# KiCad board SuS.kicad_pcb (continued)
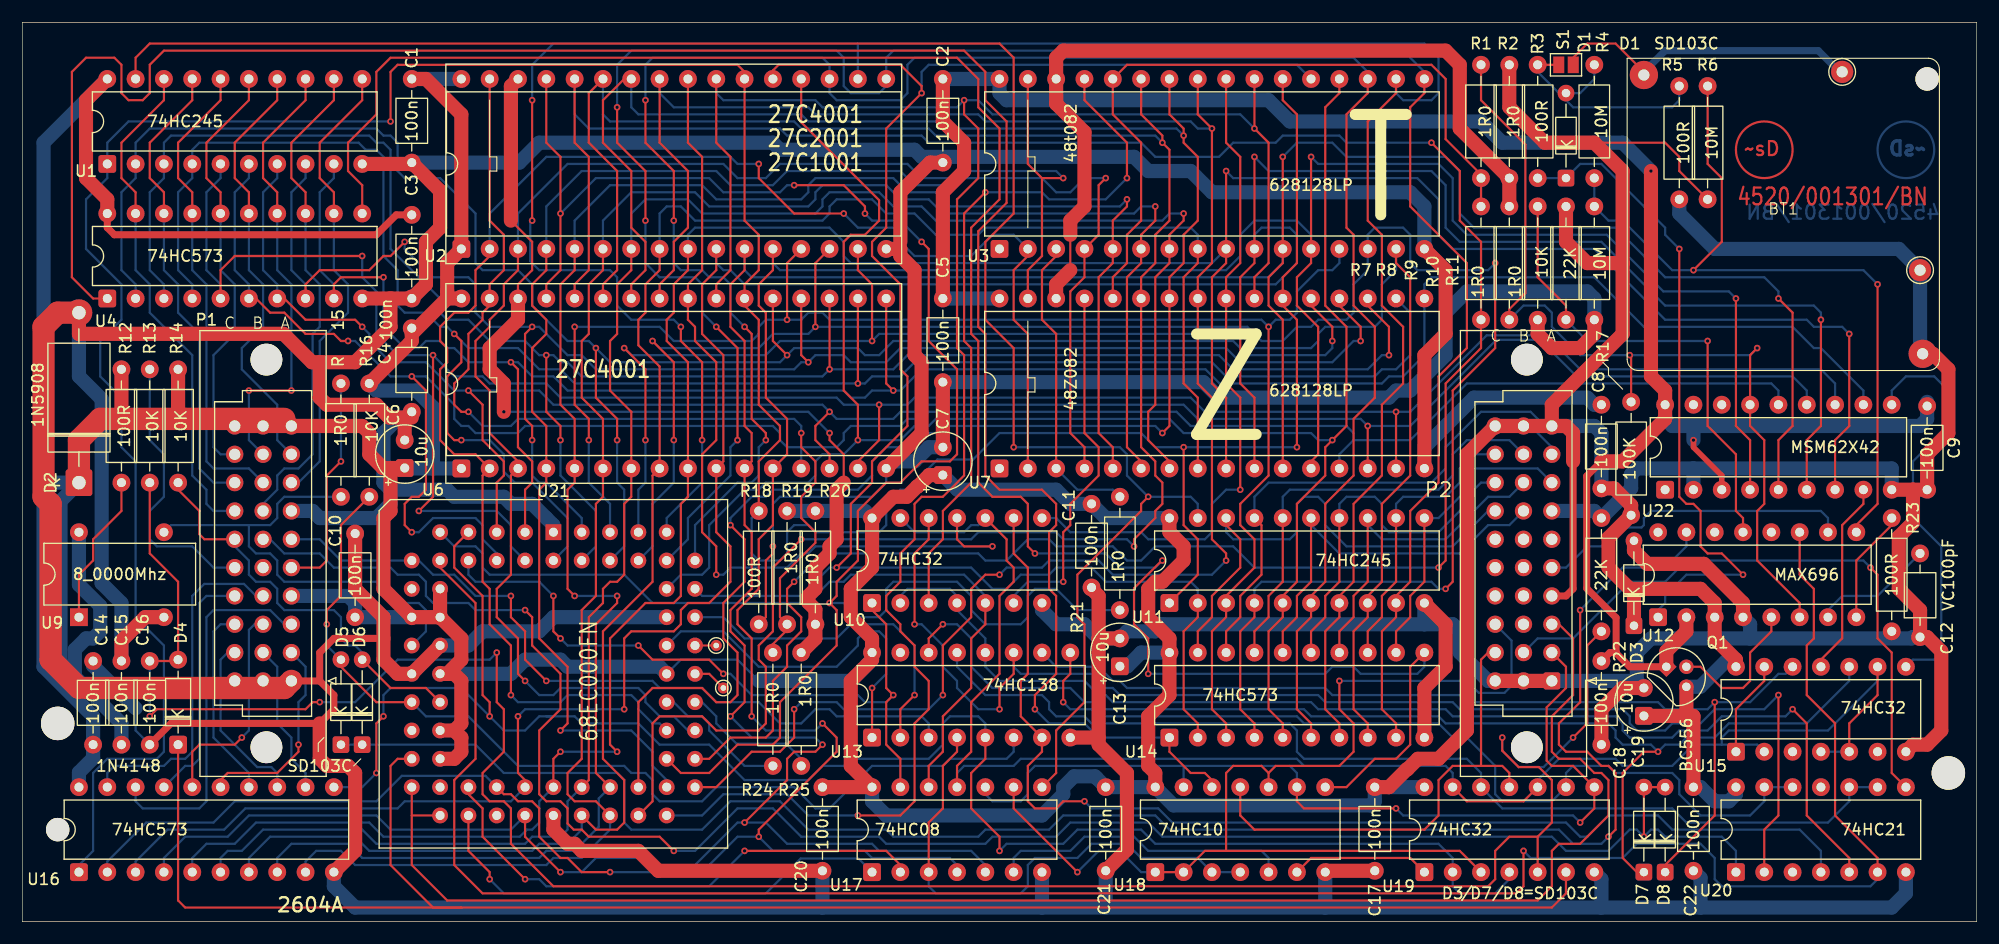
[diagram p0: board, top side]
## Routing (per net, layer and track width the routed paths; a pad name or vN(x,y) marks a point on that pad's centre or on a via; arc(x,y) is an arc through that point) (continued)
D3: length 198.9
  Top w0.2: v1(78.11,47.62) 77.47,48.26 U6.17 ; U4.9 27.94,57.15 28.58,57.78 v1(32.39,57.78) ; U21.3 45.08,38.73 45.72,39.37 45.72,41.28 44.45,42.55 44.45,49.53 v1(43.81,50.17)
  Bottom w0.2: v1(32.39,57.78) 32.39,53.34 34.29,51.44 35.56,51.44 36.2,52.07 37.47,52.07 38.1,51.44 38.73,51.44 40,50.17 v1(43.81,50.17) 44.45,50.17 45.72,48.89 47.62,48.89 48.89,47.62 73.66,47.62 74.3,46.99 75.57,46.99 76.2,47.62 v1(78.11,47.62) 78.74,47.62 80.64,49.53 106.1,49.53 107.37,48.26 121.92,48.26 122.55,48.89 123.83,48.89 125.73,50.8 U7.17 125.73,57.15 126.36,57.78 140.97,57.78 145.42,53.34 158.75,53.34 160.65,51.44 161.29,51.44 165.1,47.62 U22.11 ; U1.9 27.94,66.67 26.67,65.41 26.67,58.42 27.94,57.15 U4.9
D4: length 184.1
  Top w0.2: U6.18 v1(74.93,48.26) ; v1(39.37,43.18) 38.73,43.18 38.1,43.81 38.1,48.89 39.37,50.17 39.37,52.07 v1(38.73,52.7)
  Bottom w0.2: U21.2 48.89,33.66 48.89,36.2 45.72,39.37 44.16,39.37 43.18,40.35 43.18,41.91 41.91,43.18 v1(39.37,43.18) ; U4.4 15.24,57.15 13.97,58.42 13.97,65.41 15.24,66.67 U1.4 15.24,69.22 15.88,69.85 30.16,69.85 30.8,69.22 31.75,69.22 32.39,68.58 32.39,59.69 33.66,58.42 33.66,55.25 34.29,54.61 36.2,54.61 37.47,53.34 38.1,53.34 v1(38.73,52.7) 40,51.44 44.45,51.44 46.36,49.53 48.26,49.53 49.53,48.26 v1(74.93,48.26) 75.57,48.26 76.2,48.89 78.74,48.89 80.01,50.17 106.68,50.17 107.95,48.89 121.29,48.89 121.92,49.53 123.19,49.53 124.46,50.8 124.46,54.61 U7.18
D5: length 174.2
  Top w0.2: U6.19 v1(72.39,49.53) ; v1(46.99,50.8) 46.99,45.72 48.26,44.45 v1(48.26,43.18) ; v1(122.55,50.8) 122.55,53.34 120.65,55.25
  Bottom w0.2: v1(122.55,50.8) 121.92,50.8 120.65,49.53 108.58,49.53 107.32,50.8 79.38,50.8 78.11,49.53 v1(72.39,49.53) 71.75,48.89 50.17,48.89 48.89,50.17 48.26,50.17 47.62,50.8 v1(46.99,50.8) 46.36,50.8 45.08,52.07 41.91,52.07 40,53.98 38.1,53.98 37.47,54.61 37.47,55.88 33.02,60.33 33.02,69.22 32.39,69.85 31.75,69.85 31.11,70.48 13.33,70.48 12.7,69.85 U1.3 12.7,66.67 11.43,65.41 11.43,58.42 12.7,57.15 U4.3 ; v1(48.26,43.18) 48.26,40 51.44,36.83 51.44,33.66 U21.68
D6: length 150.9
  Top w0.2: 118.11,55.25 120.02,53.34 v1(120.02,52.07) ; v1(70.48,50.17) 69.85,50.8 U6.20 ; U4.8 25.4,57.15 26.67,58.42 31.11,58.42 32.39,59.69 33.02,59.69 v1(34.29,60.96) ; v1(45.72,53.34) 45.08,52.7 45.08,45.09 45.72,44.45 v1(45.72,43.18)
  Bottom w0.2: v1(45.72,43.18) 45.72,40 46.36,39.37 46.99,39.37 50.17,36.2 U21.67 ; U4.8 25.4,57.15 24.13,58.42 24.13,65.41 25.4,66.67 U1.8 ; v1(34.29,60.96) 34.29,60.33 36.83,57.78 40,57.78 40.64,57.15 40.64,54.61 41.91,53.34 v1(45.72,53.34) 46.36,53.34 48.89,50.8 50.17,50.8 51.44,49.53 69.22,49.53 69.85,50.17 v1(70.48,50.17) 71.12,50.8 73.66,50.8 74.3,50.17 77.47,50.17 78.74,51.44 107.95,51.44 109.22,50.17 117.48,50.17 119.38,52.07 v1(120.02,52.07)
D7: length 169.7
  Top w0.2: v1(117.48,52.07) 117.48,53.34 115.57,55.25 ; U6.21 67.31,52.07 v1(68.58,50.8) ; v1(51.44,51.44) 51.44,46.99 53.34,45.09 v1(53.34,43.18)
  Bottom w0.2: v1(117.48,52.07) 117.48,51.44 116.84,50.8 109.86,50.8 108.58,52.07 78.11,52.07 76.83,50.8 75.57,50.8 74.93,51.44 69.22,51.44 v1(68.58,50.8) 67.95,50.17 52.7,50.17 v1(51.44,51.44) 50.8,52.07 48.89,52.07 45.72,55.25 45.72,57.15 44.45,58.42 41.28,58.42 40.64,59.06 40.64,63.5 37.47,66.67 34.29,66.67 33.66,67.31 33.66,69.85 33.02,70.48 32.39,70.48 31.75,71.12 11.43,71.12 10.16,69.85 U1.2 10.16,66.67 8.89,65.41 8.89,58.42 10.16,57.15 U4.2 ; v1(53.34,43.18) 53.34,39.37 53.97,38.73 53.97,33.66 U21.66
D8: length 142.3
  Top w0.2: v1(111.76,53.34) 111.76,40 109.22,37.47 109.22,35.56 110.49,34.29 110.49,31.75 107.95,29.21 ; U14.3 107.95,17.78 106.68,19.05 106.68,26.03 107.95,27.31 U11.3 ; v1(49.53,53.34) 49.53,46.36 50.8,45.09 v1(50.8,43.18) ; U2.13 68.58,59.06 v1(68.58,53.98)
  Bottom w0.2: v1(50.8,43.18) 50.8,39.37 52.7,37.47 U21.65 ; v1(49.53,53.34) 57.15,53.34 58.42,52.07 65.41,52.07 66.04,52.7 66.04,53.34 66.67,53.98 v1(68.58,53.98) 69.85,53.98 70.48,54.61 71.75,54.61 72.39,53.98 111.13,53.98 v1(111.76,53.34) 112.39,53.98 113.67,53.98 114.3,54.61 114.3,56.52 116.2,58.42 117.48,58.42 118.11,59.06 U3.13
D9: length 180.4
  Top w0.2: v1(127.64,29.84) 128.27,30.48 128.27,47.62 132.08,51.44 v1(132.08,59.06) ; U14.4 110.49,17.78 109.22,19.05 109.22,26.03 110.49,27.31 U11.4 ; v1(71.12,53.34) 71.12,59.06 U2.14 ; v1(58.42,43.18) 58.42,50.17 v1(56.52,52.07)
  Bottom w0.2: v1(132.08,59.06) 131.44,58.42 125.1,58.42 124.46,59.06 124.46,61.59 123.83,62.23 121.29,62.23 120.65,61.59 U3.14 120.65,58.42 119.38,57.15 119.38,54.61 118.74,53.98 116.2,53.98 115.57,53.34 114.3,53.34 113.03,52.07 111.13,52.07 109.86,53.34 v1(71.12,53.34) 70.48,52.7 67.31,52.7 66.04,51.44 57.15,51.44 v1(56.52,52.07) ; U11.4 110.49,29.84 111.13,30.48 126.36,30.48 127,29.84 v1(127.64,29.84) ; v1(58.42,43.18) 58.42,39.37 56.52,37.47 56.52,33.66 U21.64
D10: length 150.5
  Top w0.2: U2.15 74.93,58.42 76.2,57.15 v1(76.2,52.07) ; v1(55.88,43.18) 55.88,49.53 v1(53.97,51.44) ; U14.8 120.65,17.78 119.38,19.05 119.38,26.03 120.65,27.31 U11.8 ; 120.65,29.21 121.92,30.48 121.92,37.47 124.46,40 124.46,57.78 123.19,59.06 U3.15
  Bottom w0.2: U21.63 55.25,38.73 55.88,39.37 v1(55.88,43.18) ; v1(53.97,51.44) 54.61,50.8 66.67,50.8 67.95,52.07 v1(76.2,52.07) 76.83,52.7 109.22,52.7 110.49,51.44 115.57,51.44 116.2,52.07 116.2,52.7 116.84,53.34 121.29,53.34 121.92,53.98 121.92,57.15 123.19,58.42 U3.15
D11: length 197.3
  Top w0.2: U11.9 123.19,27.31 121.92,26.03 121.92,19.05 123.19,17.78 U14.9 ; v1(53.34,73.03) 53.34,69.85 55.88,67.31 v1(55.88,62.87) ; v1(64.14,43.18) 64.14,51.44 v1(62.23,53.34) ; 123.19,29.21 124.46,30.48 124.46,36.83 127,39.37 127,48.89 129.54,51.44 129.54,59.06 124.46,64.14 124.46,73.03 125.73,74.3 U3.17
  Bottom w0.2: 77.47,74.93 76.83,74.3 74.3,74.3 73.66,74.93 73.66,77.47 73.03,78.11 54.61,78.11 53.34,76.84 v1(53.34,73.03) ; U21.62 59.69,34.29 59.69,36.2 63.5,40 63.5,42.55 v1(64.14,43.18) ; 125.73,76.2 123.83,78.11 78.11,78.11 77.47,77.47 U2.17 ; v1(55.88,62.87) 55.88,59.06 57.15,57.78 60.33,57.78 60.96,57.15 60.96,54.61 v1(62.23,53.34)
D12: length 214.4
  Top w0.2: U14.7 118.11,17.78 116.84,19.05 116.84,26.03 118.11,27.31 U11.7 ; v1(45.72,73.66) v1(45.72,62.87) ; v1(59.06,53.34) 59.06,52.07 60.96,50.17 v1(60.96,43.18) ; 118.11,29.21 119.38,30.48 119.38,37.47 121.92,40 121.92,46.36 123.83,48.26 123.83,53.34 121.92,55.25 121.92,61.59 120.65,62.87 120.65,71.75 123.19,74.3 U3.18
  Bottom w0.2: 74.93,78.74 125.73,78.74 127,77.47 127,74.3 126.36,73.66 123.83,73.66 123.19,74.3 U3.18 ; 74.93,78.74 47.62,78.74 45.72,76.84 v1(45.72,73.66) ; 74.93,78.74 U2.18 ; U21.61 57.78,36.2 60.96,39.37 v1(60.96,43.18) ; v1(45.72,62.87) 45.55,62.7 45.55,59.22 46.36,58.42 52.7,58.42 53.34,57.78 53.34,55.25 54.61,53.98 58.42,53.98 v1(59.06,53.34)
D13: length 189.5
  Top w0.2: U11.6 115.57,27.31 114.3,26.03 114.3,19.05 115.57,17.78 U14.6 ; v1(58.42,62.87) 58.42,67.31 55.88,69.85 v1(55.88,73.66) ; v1(66.67,43.18) 66.67,43.81 65.41,45.09 65.41,52.7 v1(64.77,53.34) ; U3.19 120.65,74.3 118.74,72.39 118.74,62.23 119.38,61.59 119.38,55.25 121.29,53.34 121.29,46.99 119.38,45.09 119.38,40 116.84,37.47 116.84,30.48 115.57,29.21
  Bottom w0.2: U21.60 60.33,35.56 64.14,39.37 65.41,39.37 66.04,40 66.04,42.55 v1(66.67,43.18) ; v1(58.42,62.87) 58.42,59.06 59.06,58.42 60.96,58.42 61.59,57.78 62.86,57.78 63.5,57.15 63.5,54.61 v1(64.77,53.34) ; v1(55.88,73.66) 55.88,76.84 56.52,77.47 71.75,77.47 72.39,76.84 U2.19 72.39,74.3 73.03,73.66 78.74,73.66 79.38,74.3 79.38,76.84 80.01,77.47 119.38,77.47 120.65,76.2
D14: length 170.8
  Top w0.2: U3.20 118.11,74.3 116.84,73.03 116.84,55.25 118.74,53.34 118.74,44.45 v1(117.48,43.18) 116.84,42.55 116.84,40 114.3,37.47 114.3,30.48 113.03,29.21 ; v1(74.93,43.18) 74.93,46.36 73.66,47.62 73.66,60.96 74.3,61.59 75.57,61.59 76.83,62.87 76.83,64.69 69.85,71.68 U2.20 ; U11.5 113.03,27.31 111.76,26.03 111.76,19.05 113.03,17.78 U14.5
  Bottom w0.2: v1(117.48,43.18) 116.2,43.18 115.57,43.81 104.14,43.81 102.87,45.09 81.92,45.09 81.28,44.45 80.01,44.45 78.74,43.18 v1(74.93,43.18) 73.66,41.91 71.75,41.91 71.12,41.28 71.12,40 70.48,39.37 66.67,39.37 66.04,38.73 64.77,38.73 61.59,35.56 61.59,31.75 60.96,31.12 59.06,31.12 U21.59
D15: length 164.8
  Top w0.2: U2.21 67.31,76.33 67.82,76.84 78.74,76.84 80.64,74.93 v1(80.64,74.3) 77.47,71.12 77.47,62.23 76.2,60.96 76.2,59.69 78.74,57.15 78.74,49.53 79.38,48.89 79.38,44.45 76.2,41.28 76.2,39.37 74.3,37.47 74.3,33.02 v1(73.03,31.75) ; U11.2 105.41,27.31 104.14,26.03 104.14,19.05 105.41,17.78 U14.2
  Bottom w0.2: U21.58 60.96,29.21 69.85,29.21 72.39,31.75 v1(73.03,31.75) 85.09,31.75 86.99,29.84 88.27,29.84 89.54,31.12 92.08,31.12 92.71,31.75 95.89,31.75 97.15,30.48 104.77,30.48 105.41,29.84 U11.2 ; v1(80.64,74.3) 80.64,76.2 81.28,76.84 114.3,76.84 U3.21
DBIO0: length 38.9
  Top w0.2: U4.15 20.32,65.41 19.05,66.67 19.05,69.85 22.86,73.66 U1.14
  Bottom w0.2: P1.a9 22.86,43.18 22.86,46.36 19.69,49.53 19.69,51.44 21.59,53.34 21.59,57.15 20.32,58.42 U4.15
DBIO1: length 40.6
  Top w0.2: U4.14 22.86,65.41 21.59,66.67 21.59,69.85 25.4,73.66 U1.13 ; v1(20.32,47.62) v1(24.13,47.62)
  Bottom w0.2: U4.14 22.86,58.42 24.13,57.15 v1(24.13,47.62) ; P1.b9 20.32,43.18 v1(20.32,47.62)
DBIO2: length 38.6
  Top w0.2: U4.16 17.78,65.41 16.51,66.67 16.51,69.85 20.32,73.66 U1.15
  Bottom w0.2: P1.c9 17.78,41.91 17.14,42.55 17.14,50.8 19.05,52.7 19.05,57.15 17.78,58.42 U4.16
DBIO3: length 40.7
  Top w0.2: U4.12 27.94,65.41 26.67,66.67 26.67,69.85 30.48,73.66 U1.11
  Bottom w0.2: 24.77,39.37 26.67,41.28 26.67,52.07 29.21,54.61 29.21,57.15 27.94,58.42 U4.12
DBIO4: length 42.8
  Top w0.2: U4.17 15.24,65.41 13.97,66.67 13.97,69.85 17.78,73.66 U1.16
  Bottom w0.2: P1.b8 20.32,40.64 17.14,40.64 16.51,41.28 16.51,57.15 15.24,58.42 U4.17
DBIO5: length 42
  Top w0.2: U1.17 15.24,73.66 11.43,69.85 11.43,66.67 12.7,65.41 U4.18
  Bottom w0.2: P1.c8 17.14,39.37 15.88,40.64 15.88,52.7 13.97,54.61 13.97,57.15 12.7,58.42 U4.18
DBIO6: length 43.6
  Top w0.2: U4.13 25.4,65.41 24.13,66.67 24.13,69.85 27.94,73.66 U1.12
  Bottom w0.2: U4.13 25.4,58.42 26.67,57.15 26.67,53.34 26.03,52.7 26.03,41.91 24.77,40.64 23.5,40.64 22.86,40 22.86,38.73 21.59,37.47
DBIO7: length 45.6
  Top w0.2: U4.19 10.16,65.41 8.89,66.67 8.89,69.85 12.7,73.66 U1.18
  Bottom w0.2: U4.19 10.16,58.42 11.43,57.15 11.43,54.61 15.24,50.8 15.24,40 16.51,38.73 16.51,37.47 17.14,36.83 P1.c7
DBIO8: length 48.5
  Top w0.2: U14.18 107.95,26.03 109.22,27.31 109.22,29.21 111.13,31.12 111.13,35.56 U11.17
  Bottom w0.2: 137.16,42.55 135.89,43.81 135.89,45.09 135.25,45.72 130.81,45.72 127.64,42.55 127.64,40.64 126.36,39.37 111.76,39.37 110.49,38.1 U11.17
DBIO9: length 40.4
  Top w0.2: U11.16 113.03,30.48 111.76,29.21 111.76,27.31 110.49,26.03 U14.17
  Bottom w0.2: P2.b9 133.35,43.18 129.54,43.18 128.27,41.91 128.27,40 127,38.73 113.67,38.73 113.03,38.1 U11.16
DBIO10: length 25.9
  Top w0.2: U11.12 123.19,30.48 121.92,29.21 121.92,27.31 120.65,26.03 U14.13
  Bottom w0.2: U11.12 123.19,37.47 123.83,38.1 127.64,38.1 128.9,39.37 128.9,40.64 130.18,41.91 P2.c9
DBIO11: length 27.7
  Top w0.2: U14.12 123.19,26.03 124.46,27.31 124.46,29.21 125.73,30.48 U11.11
  Bottom w0.2: U11.11 127,36.2 129.54,38.73 129.54,40 130.18,40.64 135.89,40.64 P2.a8
DBIO12: length 29.7
  Top w0.2: U14.14 118.11,26.03 119.38,27.31 119.38,29.21 120.65,30.48 U11.13
  Bottom w0.2: P2.b8 133.35,38.1 131.44,38.1 127.64,34.29 121.92,34.29 120.65,35.56
DBIO13: length 33.3
  Top w0.2: U11.14 118.11,30.48 116.84,29.21 116.84,27.31 115.57,26.03 U14.15
  Bottom w0.2: P2.c8 130.81,39.37 130.18,38.73 130.18,38.1 127,34.92 122.55,34.92 121.92,35.56 121.92,37.47 121.29,38.1 118.74,38.1 118.11,37.47 U11.14
DBIO14: length 34.8
  Top w0.2: U11.15 115.57,30.48 114.3,29.21 114.3,27.31 113.03,26.03 U14.16
  Bottom w0.2: P2.b7 133.35,35.56 131.44,35.56 128.9,33.02 118.11,33.02 115.57,35.56
DBIO15: length 45.9
  Top w0.2: 107.95,35.56 109.22,34.29 109.22,31.75 106.68,29.21 106.68,27.31 105.41,26.03 U14.19
  Bottom w0.2: U11.18 107.95,34.92 108.58,34.29 113.67,34.29 114.3,34.92 114.3,37.47 114.93,38.1 116.2,38.1 116.84,37.47 116.84,35.56 118.74,33.66 128.27,33.66 131.44,36.83
DTACK: length 199.2
  Top w0.2: v1(134.62,6.35) 134.62,3.18 133.99,2.54 41.28,2.54 38.73,5.08 38.73,12.7 40.64,14.6 40.64,28.58 37.47,31.75 U21.11 ; 159.38,34.92 159.38,31.12 160.65,29.84 160.65,25.4 160.02,24.77 160.02,20.32 162.56,17.78 162.56,9.53 166.37,5.72 U20.6
  Bottom w0.2: v1(134.62,6.35) 135.25,5.72 143.51,5.72 144.78,6.99 150.5,6.99 151.76,5.72 151.76,3.81 152.4,3.18 165.74,3.18 166.37,3.81
IO_EN: length 55.8
  Top w0.2: v1(165.74,31.75) 166.37,31.12 166.37,25.4 167.64,24.13 167.64,13.34 U20.8
  Bottom w0.2: v1(165.74,31.75) 165.1,32.39 149.23,32.39 147.32,30.48 144.14,30.48 139.06,25.4 135.89,25.4 134.62,24.13
IO_R: length 81.4
  Top w0.2: v1(123.19,10.16) 114.93,10.16 114.3,10.8 U18.9 ; 137.16,24.13 138.43,22.86 138.43,20.95 136.7,19.22 136.7,14.43 137.16,13.97 139.06,13.97 U19.8 140.97,10.16 v1(139.7,8.89)
  Bottom w0.2: v1(139.7,8.89) 139.06,9.53 123.83,9.53 v1(123.19,10.16) ; 104.14,13.97 113.67,13.97 114.3,13.34 U18.9 ; 104.14,13.97 U18.13 ; 104.14,13.97 90.8,13.97 90.17,13.34 90.17,11.43 89.54,10.8 86.99,10.8 86.36,11.43
IO_W: length 43.4
  Top w0.2: U18.11 109.22,9.53 110.49,8.25 125.73,8.25 127,9.53 127,12.7 128.27,13.97 130.81,13.97 ; 130.81,13.97 132.71,13.97 133.35,13.34 U19.11 ; 130.81,13.97 130.81,23.5 131.44,24.13
IRQ: length 145.2
  Top w0.2: U21.27 34.92,9.53 ; 34.92,9.53 34.92,5.08 38.1,1.91 135.89,1.91 137.16,3.18 137.16,6.35 137.8,6.99 139.7,6.99 142.24,9.53 142.24,12.7 141.61,13.34 140.97,13.34 139.7,14.6 137.8,14.6 137.16,15.24 137.16,18.41 139.06,20.32 139.06,25.4 137.8,26.67 ; 34.92,9.53 U21.26
p1_b6: length 170.2
  Top w0.2: v1(58.42,6.35) 57.15,7.62 50.8,7.62 50.17,8.25 49.45,8.25 48.89,8.81 48.89,10.16 48.26,10.8 46.99,10.8 46.36,11.43 46.36,17.15 48.26,19.05 48.26,22.23 45.72,24.77 45.72,27.31 v1(45.08,27.94) ; D8.2 D7.2 v1(145.42,7.62)
  Bottom w0.2: 22.22,34.29 23.5,33.02 26.67,33.02 27.94,31.75 33.02,31.75 33.66,31.12 35.56,31.12 36.2,30.48 36.2,29.21 36.83,28.58 40,28.58 40.64,27.94 v1(45.08,27.94) ; U20.1 153.67,6.35 152.4,7.62 147.32,7.62 146.69,8.25 146.05,8.25 v1(145.42,7.62) 144.78,8.25 144.14,8.25 142.24,6.35 138.43,6.35 137.16,7.62 102.23,7.62 100.96,8.89 93.98,8.89 92.71,7.62 86.99,7.62 86.36,6.99 77.47,6.99 76.83,7.62 69.85,7.62 67.31,10.16 64.14,10.16 60.33,6.35 v1(58.42,6.35)
p2_c3: length 99.5
  Top w0.2: 107.95,6.35 128.9,6.35 U19.3 ; 107.95,6.35 106.05,6.35 U18.2 U18.1 ; 107.95,6.35 107.95,13.34 108.58,13.97 111.13,13.97 111.76,13.34 ; U18.10 111.76,13.34 ; 111.76,13.34 112.39,13.97 118.11,13.97 119.38,15.24 119.38,17.78 118.11,19.05 v1(118.11,21.59) ; v1(94.61,4.44) 88.9,10.16 U17.9
  Bottom w0.2: v1(94.61,4.44) 96.52,6.35 98.42,6.35 100.33,4.44 U18.1 ; P2.c3 133.54,25.21 133.54,21.15 132.91,20.51 130.62,20.51 129.54,21.59 v1(118.11,21.59)
R0: length 118.2
  Top w0.2: U20.2 156.21,8.25 157.48,9.53 v1(157.48,20.32) ; U10.12 81.28,34.29 80.01,33.02 v1(80.01,26.67) ; U13.11 88.9,22.23 87.63,20.95 v1(87.63,19.05)
  Bottom w0.2: v1(80.01,26.67) 80.64,26.67 82.55,24.77 82.55,22.86 83.82,21.59 83.82,20.95 85.73,19.05 v1(87.63,19.05) ; U13.11 88.9,22.86 89.54,22.23 95.89,22.23 97.15,20.95 97.79,20.95 98.42,20.32 116.2,20.32 116.84,19.69 128.27,19.69 128.9,19.05 143.51,19.05 144.14,18.41 144.14,17.78 144.78,17.15 147.32,17.15 147.95,17.78 150.5,17.78 151.76,19.05 156.21,19.05 v1(157.48,20.32)
R1: length 87.4
  Top w0.2: v1(151.76,19.69) 151.76,9.53 147.32,5.08
  Bottom w0.2: U13.10 92.71,22.86 96.52,22.86 97.79,21.59 98.42,21.59 99.06,20.95 116.84,20.95 117.48,20.32 128.9,20.32 129.54,19.69 146.69,19.69 147.32,19.05 151.13,19.05 v1(151.76,19.69) 154.94,19.69 157.48,22.23 158.12,22.23 U15.12
R2: length 81.7
  Top w0.2: U13.9 93.98,22.23 93.35,21.59 v1(93.35,19.69)
  Bottom w0.2: v1(93.35,19.69) 93.98,19.05 95.89,19.05 96.52,18.41 114.3,18.41 114.93,17.78 127,17.78 128.27,16.51 129.54,16.51 132.08,13.97 132.08,11.43 132.71,10.8 137.16,10.8 U19.9 138.43,13.34 139.06,13.97 142.24,13.97 142.88,13.34 147.95,13.34 148.59,12.7 148.59,11.43 150.5,9.53 154.94,9.53 156.21,10.8 U20.13 U20.12
R3: length 104.5
  Top w0.2: v1(95.25,10.8) 93.35,10.8 92.71,10.16 90.8,10.16 90.17,10.8 90.17,13.97 91.44,15.24 U13.7 89.54,18.41 89.54,21.59 90.17,22.23 90.17,31.75 88.9,33.02 U10.9
  Bottom w0.2: U20.4 161.29,6.35 159.38,8.25 147.95,8.25 146.69,9.53 142.24,9.53 140.33,7.62 139.7,7.62 138.43,8.89 103.13,8.89 101.86,10.16 95.89,10.16 v1(95.25,10.8)
R/~{W}: length 68.9
  Top w0.2: v1(46.99,21.59) 45.08,23.5 45.08,26.03 43.81,27.31 v1(43.81,29.21)
  Bottom w0.2: v1(43.81,29.21) 40.64,29.21 38.73,31.12 36.83,31.12 35.56,32.39 U21.10 28.58,32.39 26.67,34.29 P1.a6 ; U13.3 81.28,17.78 80.64,18.41 73.03,18.41 72.39,19.05 71.12,19.05 69.85,17.78 67.95,17.78 66.04,19.69 62.23,19.69 60.96,20.95 57.15,20.95 56.52,21.59 v1(46.99,21.59)
W1: length 108.2
  Top w0.2: U13.14 81.28,25.4 v1(82.55,26.67) ; 144.78,4.44 143.51,5.72 143.51,13.34 145.42,15.24 v1(146.69,15.24)
  Bottom w0.2: v1(82.55,26.67) 83.82,26.67 85.09,25.4 85.09,22.86 86.99,20.95 93.98,20.95 95.25,19.69 96.52,19.69 97.15,19.05 114.93,19.05 115.57,18.41 127,18.41 127.64,17.78 142.24,17.78 142.88,17.15 142.88,16.51 143.51,15.88 146.05,15.88 v1(146.69,15.24) 147.32,15.88 148.59,15.88 149.23,16.51 151.76,16.51 153.04,17.78 160.02,17.78 163.83,21.59 U15.10
W2: length 93.9
  Bottom w0.2: U20.9 U20.10 163.83,10.8 161.93,8.89 149.23,8.89 147.95,10.16 132.71,10.16 U19.12 130.81,13.34 129.54,14.6 114.93,14.6 114.3,15.24 114.3,17.15 113.67,17.78 95.89,17.78 95.25,18.41 92.71,18.41 92.08,19.05 92.08,19.69 91.44,20.32 86.36,20.32 83.82,22.86 U13.13
W3: length 104.9
  Top w0.2: U20.5 163.83,5.72 160.02,9.53 160.02,17.78 v1(158.75,19.05)
  Bottom w0.2: 78.74,29.21 79.38,29.84 83.18,29.84 83.82,29.21 ; v1(158.75,19.05) 158.12,18.41 152.4,18.41 151.13,17.15 148.59,17.15 147.95,16.51 144.14,16.51 143.51,17.15 143.51,17.78 142.88,18.41 128.27,18.41 127.64,19.05 116.2,19.05 115.57,19.69 97.79,19.69 97.15,20.32 96.52,20.32 95.25,21.59 87.63,21.59 86.36,22.86 U13.12 86.36,25.4 83.82,27.94
~{DATA_VALID}: length 153
  Top w0.2: U15.1 153.67,19.05 156.21,21.59 U15.13 ; U17.11 83.82,13.97 85.09,15.24 85.09,19.69 87.63,22.23 87.63,29.21 88.9,30.48 88.9,31.75 88.27,32.39 88.27,34.29 U10.10 ; U19.13 129.54,10.8 134.62,10.8 U19.10 ; U15.9 166.37,20.32 163.83,17.78 U15.5
  Bottom w0.2: U15.2 155.57,15.88 152.4,15.88 ; U15.9 166.37,21.59 161.93,17.15 153.04,17.15 152.4,16.51 152.4,15.88 ; 152.4,15.88 149.86,15.88 147.95,13.97 143.51,13.97 142.88,14.6 137.8,14.6 135.89,12.7 ; U15.4 U15.5 ; U10.10 85.73,35.56 85.09,35.56 84.45,34.92 80.01,34.92 U10.13 ; U19.13 128.27,13.34 127.64,13.97 114.93,13.97 114.3,14.6 89.54,14.6 88.9,13.97 84.45,13.97 83.82,13.34 U17.11
~{HALT}: length 87.5
  Top w0.2: 28.58,22.86 31.75,19.69 U21.20 ; v1(27.31,26.67) 27.31,27.94 28.58,29.21 28.58,35.56 R16.1
  Bottom w0.2: U13.6 88.9,15.24 88.27,14.6 83.18,14.6 82.55,13.97 76.2,13.97 72.39,10.16 71.12,10.16 69.22,12.06 62.23,12.06 60.96,10.8 57.15,10.8 56.52,11.43 56.52,12.7 55.88,13.34 54.61,13.34 53.97,13.97 44.45,13.97 40,18.41 36.2,18.41 U21.20 ; D5.2 27.31,24.77 v1(27.31,26.67)
~{LDS}: length 72.7
  Top w0.2: U10.5 86.36,26.67 85.09,25.4 85.09,20.95 82.55,18.41 82.55,15.24 81.28,13.97 U17.12
  Bottom w0.2: 86.36,29.21 84.45,31.12 74.3,31.12 73.66,30.48 72.39,30.48 70.48,28.58 56.52,28.58 53.97,31.12 41.91,31.12 41.28,31.75 41.28,33.02 40.64,33.66 38.73,33.66 U21.9
~{RESET}: length 34.7
  Top w0.2: P1.c6 16.33,34.29 15.88,34.75 15.88,36.83 13.97,38.73 ; U21.21 36.2,20.95 33.02,20.95 D6.2
  Bottom w0.2: 30.48,24.13 29.84,24.77 29.21,24.77 28.58,25.4 28.58,27.31 27.94,27.94 23.5,27.94 22.86,28.58 22.86,29.84 22.22,30.48 20.95,30.48 20.32,31.12 20.32,32.39 19.05,33.66
~{SPACE_VALID}: length 46.6
  Top w0.2: U17.3 81.28,8.89 82.55,10.16 82.55,13.97 83.82,15.24 U13.4
  Bottom w0.2: U18.4 U18.3 105.41,5.72 100.33,5.72 99.06,6.99 95.89,6.99 94.61,5.72 90.8,5.72 90.17,5.08 90.17,3.18 89.54,2.54 81.92,2.54 81.28,3.18 U17.3
~{UDS}: length 63.7
  Top w0.2: v1(48.26,25.4) 47.62,26.03 v1(47.62,29.21) ; v1(62.86,22.23) 61.59,23.5 56.52,23.5 v1(55.25,24.77) ; U17.13 78.74,14.6 77.47,15.88 77.47,19.69 v1(78.11,20.32) 77.47,20.95 77.47,26.67 76.2,27.94
  Bottom w0.2: v1(48.26,25.4) 48.89,24.77 v1(55.25,24.77) ; v1(47.62,29.21) 46.36,30.48 40.64,30.48 40,31.12 U21.8 ; v1(62.86,22.23) 63.5,22.23 65.41,20.32 74.93,20.32 75.57,19.69 77.47,19.69 v1(78.11,20.32)
Net-(D1-A): length 20.9
  Top w0.2: R3.2 S1.1
  Bottom w0.2: 135.89,76.2 137.8,74.3 ; D1.2 139.7,74.3 140.97,75.56 R4.2 ; R5.2 148.59,73.66 147.95,73.03 139.06,73.03 138.43,73.66
Net-(D1-K): length 58.8
  Top w0.2: v1(154.31,31.12) 152.4,33.02 151.13,33.02 150.5,33.66 150.5,36.83 149.86,37.47 149.23,37.47 148.59,38.1 v1(148.59,60.33)
  Bottom w0.2: R3.1 D1.1 139.7,67.95 141.61,67.95 147.32,62.23 147.32,61.59 v1(148.59,60.33) ; 146.69,27.94 147.32,28.58 147.32,29.21 149.23,31.12 v1(154.31,31.12)
Net-(D4-A): length 210.1
  Top w0.2: v1(132.71,16.51) 132.71,15.33 134.18,13.86 136,13.86 137.16,12.7 137.16,8.89 135.89,7.62 ; v1(26.67,19.69) 26.03,19.69 25.4,19.05 12.06,19.05 v1(11.43,18.41) ; C16.2 13.85,23.38 ; U19.5 135.89,7.62 ; 135.89,7.62 133.35,7.62 132.08,6.35 132.08,3.81 131.44,3.18 47.62,3.18 43.81,6.99 43.81,10.16 43.18,10.8 41.91,10.8 41.28,11.43 41.28,13.34 43.18,15.24 43.18,19.05 42.55,19.69 v1(42.55,24.13) ; D4.2 13.97,30.48 11.43,33.02 R13.1 ; v1(139.06,16.51) 140.33,17.78 140.33,24.77 R22.1
  Bottom w0.2: v1(26.67,19.69) 29.84,19.69 33.66,23.5 41.91,23.5 v1(42.55,24.13) ; v1(139.06,16.51) 136.42,13.86 134.18,13.86 132.71,15.33 v1(132.71,16.51) ; C16.2 v1(11.43,18.41)
Net-(D5-K): length 161.7
  Top w0.2: v1(142.24,7.62) 142.88,8.25 142.88,13.34 142.24,13.97 141.61,13.97 140.33,15.24 138.43,15.24 137.8,15.88 137.8,17.78 139.7,19.69 v1(139.7,27.94)
  Bottom w0.2: D5.1 40.64,15.88 43.18,13.34 53.34,13.34 53.97,12.7 53.97,8.89 54.61,8.25 60.96,8.25 63.5,10.8 67.95,10.8 70.48,8.25 77.47,8.25 78.11,7.62 85.73,7.62 86.36,8.25 92.08,8.25 93.35,9.53 101.6,9.53 102.87,8.25 137.8,8.25 139.06,6.99 141.61,6.99 v1(142.24,7.62) ; v1(139.7,27.94) 143.51,31.75 147.32,31.75 149.23,33.66 149.23,34.92
Net-(Q1-B): length 13.3
  Top w0.2: 156.85,27.31 156.85,26.03 154.94,24.13 154.94,21.59 154.31,20.95 152.4,20.95 150.5,22.86 Q1.2
Net-(U1-CE): length 170.2
  Top w0.2: v1(88.9,42.55) 88.9,51.44 86.36,53.98 86.36,60.96 88.9,63.5 88.9,77.47 87.63,78.74 11.43,78.74 10.16,77.47 U1.19 ; U17.8 92.71,13.34 92.71,17.15 95.25,19.69 95.25,26.67 94.61,27.31 94.61,31.12 100.33,36.83 100.33,37.47 v1(100.96,38.1)
  Bottom w0.2: v1(88.9,42.55) 98.42,42.55 99.06,41.91 99.06,40 v1(100.96,38.1) 104.77,38.1 105.41,37.47 U11.19
Net-(U9-OE): length 13.6
  Top w0.2: U9.1 5.08,31.12 6.35,32.39 6.35,34.29 8.89,36.83 R12.1
Net-(U12-OSC_IN): length 10.4
  Bottom w0.2: C12.1 166.37,29.21 163.19,29.21 161.93,27.94
Net-(U12-OSC_SEL): length 9.6
  Top w0.2: U12.8 164.46,32.39 167.64,35.56
Net-(U12-PFI): length 71.3
  Top w0.2: 164.46,35.56 166.37,37.47 v1(166.37,57.15) ; v1(149.86,58.42) 152.4,60.96 152.4,66.67 151.13,67.95 R6.2
  Bottom w0.2: R4.1 R11.2 142.24,62.87 143.51,62.87 147.95,58.42 v1(149.86,58.42) 165.1,58.42 v1(166.37,57.15)
Net-(U12-~{CE_IN}): length 43.2
  Top w0.2: R10.1 138.43,55.25 135.89,57.78 R9.2 ; v1(151.13,52.07) 151.13,44.45 153.67,41.91 153.67,36.83 154.31,36.2 U12.13
  Bottom w0.2: R10.1 140.33,52.07 v1(151.13,52.07)
Net-(U14-Load): length 186.6
  Top w0.2: v1(102.23,32.39) 102.18,32.39 99.7,29.9 99.7,26.67 100.96,25.4 v1(100.96,22.23) ; U4.11 30.48,66.04 29.21,67.31 29.21,69.85 31.75,72.39 31.75,76.2 33.02,77.47 83.82,77.47 85.73,75.56 85.73,73.03 87.63,71.12 87.63,64.77 85.09,62.23 85.09,52.7 85.73,52.07 85.73,39.37 86.99,38.1 89.54,38.1 90.17,37.47 90.17,33.66 v1(90.8,33.02) ; U18.8 118.74,12.06 121.29,14.6 123.19,14.6 124.46,15.88 124.46,22.86 U14.11
  Bottom w0.2: v1(100.96,22.23) 116.84,22.23 117.48,22.86 119.38,22.86 120.02,22.23 125.1,22.23 125.73,22.86 U14.11 ; v1(102.23,32.39) 101.6,31.75 98.42,31.75 97.15,33.02 v1(90.8,33.02)
Net-(U14-OE): length 196.7
  Top w0.2: 106.68,12.7 106.05,13.34 104.77,13.34 102.87,15.24 U14.1 ; v1(90.8,19.05) 90.8,20.32 92.71,22.23 92.71,29.21 92.08,29.84 92.08,34.92 92.71,35.56 92.71,37.47 91.44,38.73 87.63,38.73 86.36,40 86.36,52.7 85.73,53.34 85.73,61.91 88.27,64.45 88.27,71.75 86.36,73.66 86.36,76.2 84.45,78.11 12.7,78.11 11.43,76.84 11.43,74.3 10.8,73.66 9.53,73.66 8.89,74.3 8.89,76.84 8.26,77.47 5.72,77.47 4.45,76.2 4.45,57.78 6.35,55.88 U4.1
  Bottom w0.2: v1(90.8,19.05) 92.08,17.78 95.25,17.78 96.52,16.51 U14.1
Net-(U17-Pad6): length 27
  Bottom w0.2: U18.5 111.76,5.72 111.13,6.35 100.96,6.35 99.7,7.62 95.25,7.62 93.98,6.35 89.54,6.35 88.9,5.72 U17.6
Net-(U18-Pad6): length 12.5
  Top w0.2: U18.6 115.57,5.72 124.46,5.72 U19.1
Net-(U22-~{RD}): length 16.8
  Top w0.2: U22.8 165.1,37.47 163.19,35.56 163.19,25.4 161.29,23.5
Net-(U22-~{WR}): length 37
  Bottom w0.2: U22.10 167.64,47.62 168.91,48.89 171.45,48.89 172.72,47.62 172.72,44.45 169.55,41.28 169.55,36.2 172.08,33.66 172.08,24.13 171.45,23.5 169.55,23.5 U15.8

## Text on the board
Bottom: 4520/001301/BN | ~sD
B.Silkscreen: https://github.com/stonedDiscord/Automatenplatinen/tree/main/SuS | Volle / 0 Jahre / Garantie | Geräte- / Nummer : | Spiel- und Speicher Modul
Top: ~sD | 4520/001301/BN
F.Silkscreen: = | C  B  A | / | 48t082 | 48Z082 | 2604A | 27C2001 | 27C1001 | Z | T
